# KiCad board hypjolin.kicad_pcb (continued)
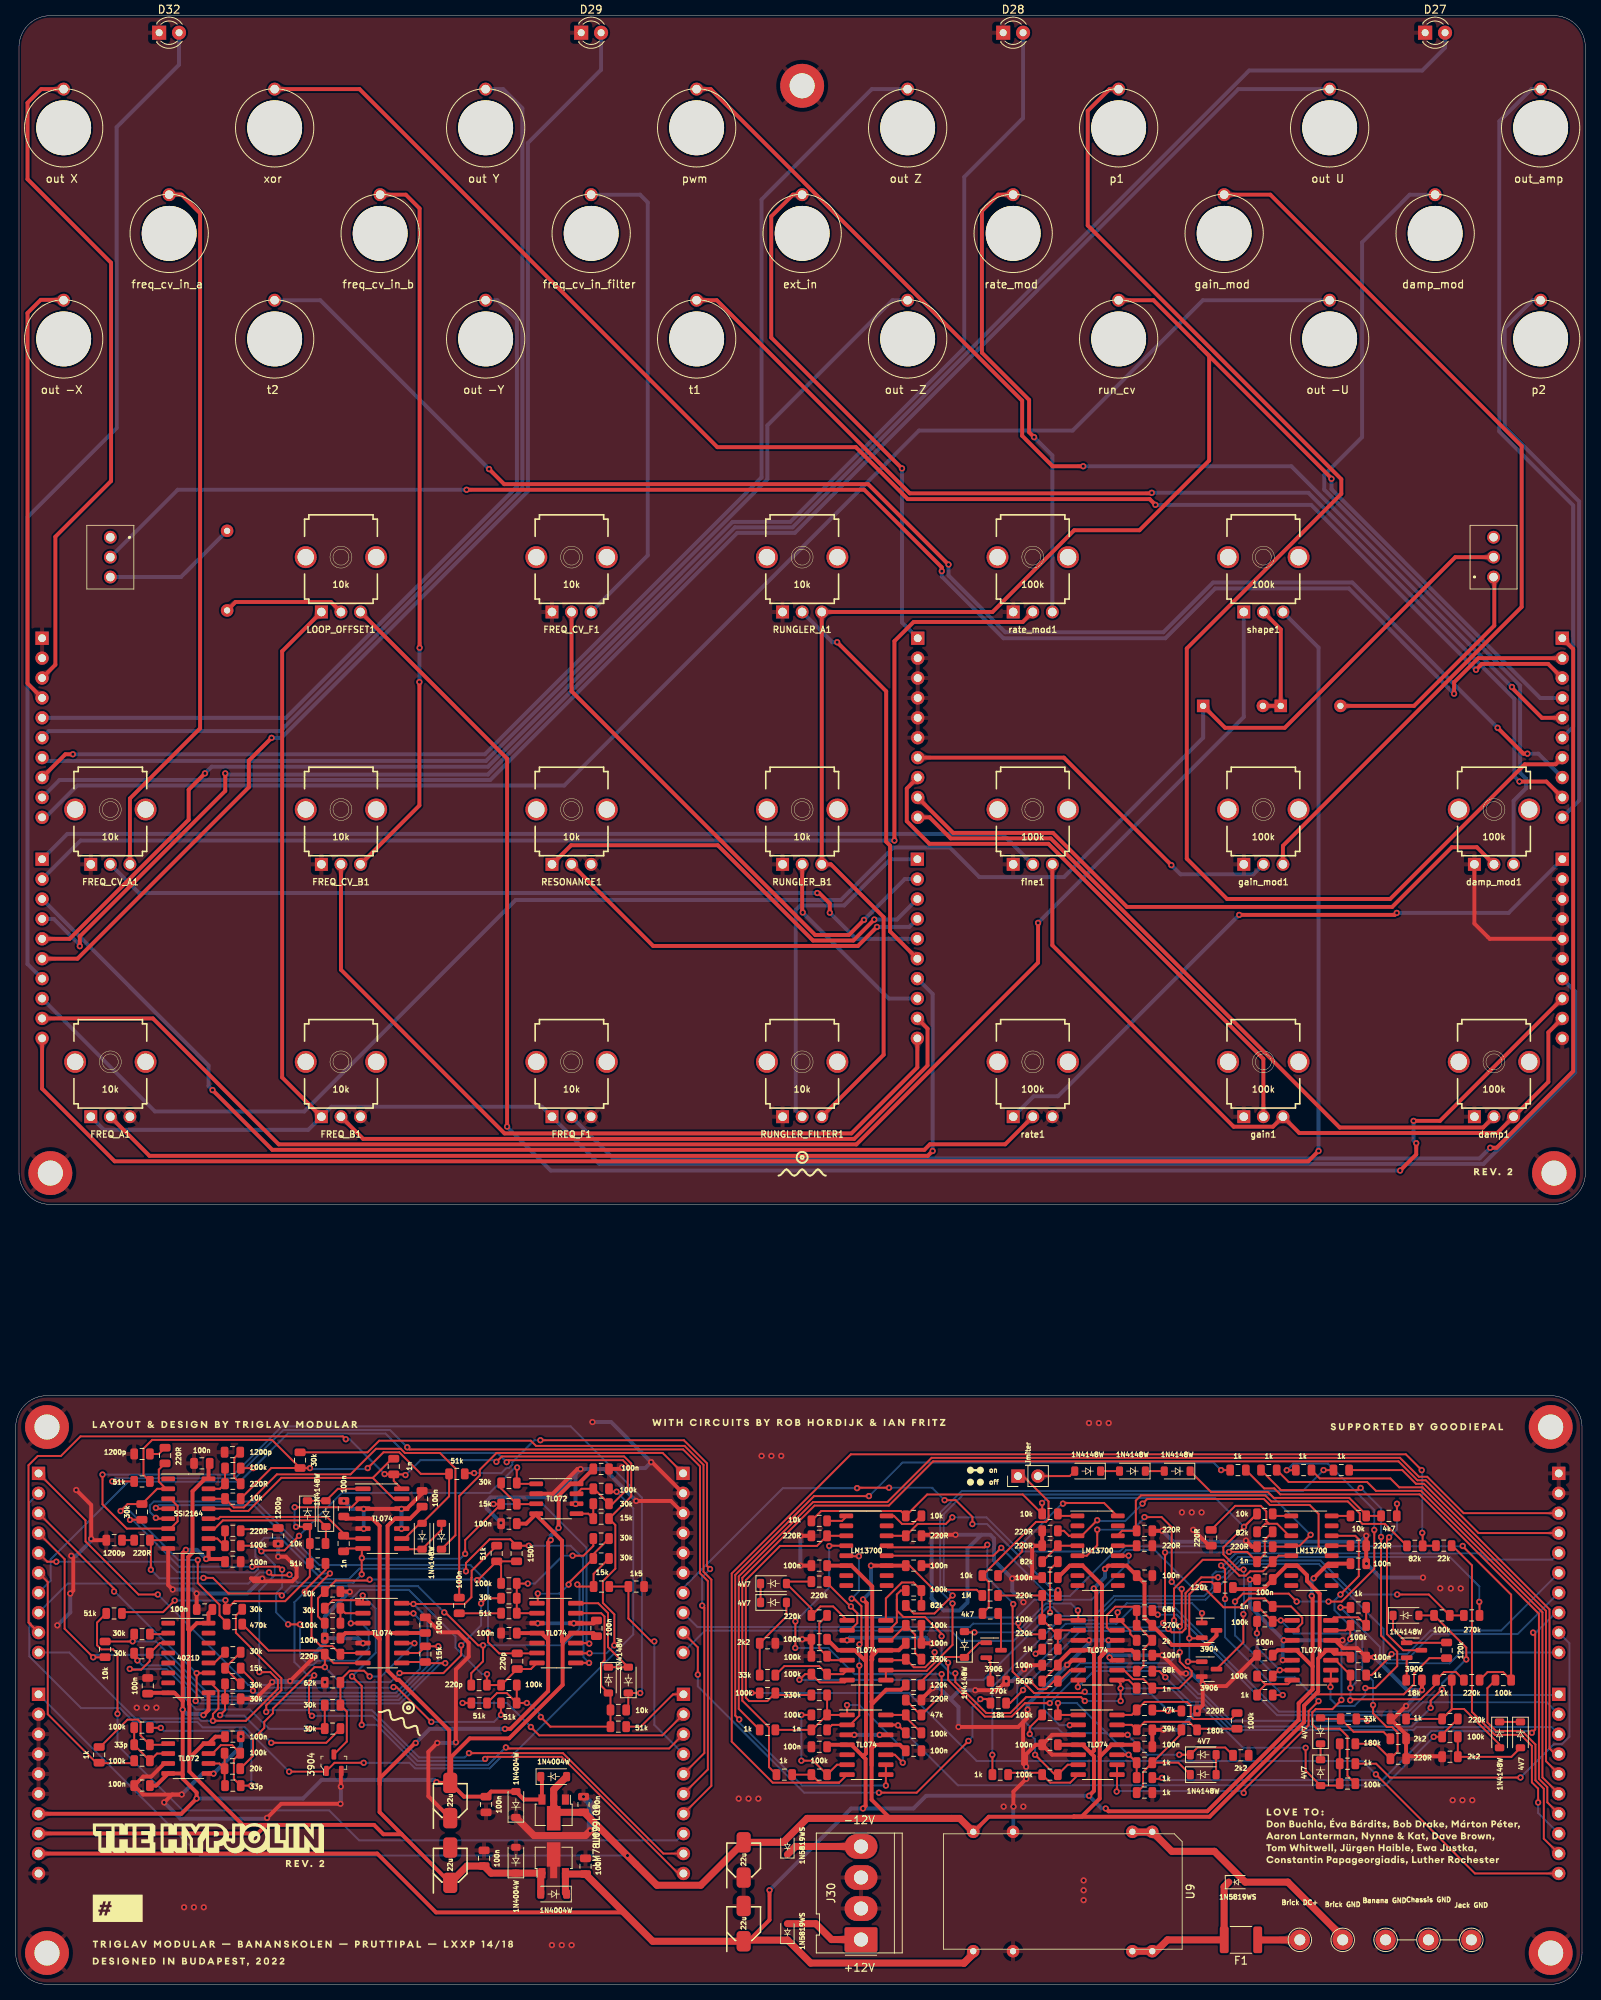
[diagram p0: board, top side]
## Library data of the parts
C15 C16 C33 C34 = -: Description: Aluminum Electrolytic Capacitors - SMD 10VDC 47uF 20% 90mA AEC-Q200; Arrow Part Number: EEE-FN1A470UR; Arrow Price/Stock: https://www.arrow.com/en/products/eee-fn1a470ur/panasonic; Height: 6.1; Manufacturer_Name: Panasonic; Manufacturer_Part_Number: EEEFN1C220R; Mouser Part Number: 667-EEE-FN1A470UR; Mouser Price/Stock: https://www.mouser.co.uk/ProductDetail/Panasonic/EEE-FN1A470UR?qs=OlC7AqGiEDlZjloUmme03Q%3D%3D
Q1 = -: Description: TRANS NPN 40V 0.2A SOT23; Category: Discrete Semiconductor Products; DK_Datasheet_Link: http://www.onsemi.com/pub/Collateral/MMBT3904LT1-D.PDF; DK_Detail_Page: /product-detail/en/on-semiconductor/MMBT3904LT1G/MMBT3904LT1GOSCT-ND/1139813; Digi-Key_PN: MMBT3904LT1GOSCT-ND; Family: Transistors - Bipolar (BJT) - Single; MPN: MMBT3904LT1G; Manufacturer: ON Semiconductor; Status: Active
R18 = -: Comment: (was 62k)

## Footprints (pads in the part's own frame, mm; a bottom-side part is the same pattern mirrored in y, then rotated)
1082MS1T1B1M2QEEVX
  round 1.635 hole 1.09: 1(0,0) 2(0,2.54) 3(0,5.08)
Banana_Jack_1Pin
  round 7 hole 7 unplated: (0,0)
  round 1.648 hole 1.1: 1(-0.007,4.939)
C_0805_2012Metric
  rrect 0.975x1.4 smd: 1(-1,0) 2(1,0)
CAPAE430X610N
  rrect 2.6x1.8 smd: 1(-2.25,0) 2(2.25,0)
D_DO-35_SOD27_P7.62mm_Horizontal
  rect 1.6x1.6 hole 0.8: 1(0,0)
  oval 1.6x1.6 hole 0.8: 2(7.62,0)
D_SOD-123
  rrect 0.9x1.2 smd: 1(-1.65,0) 2(1.65,0)
D_SOD-323
  rect 0.6x0.45 smd: 1(-1.05,0) 2(1.05,0)
DIP-24_W15.24mm
  oval 1.6x1.6 hole 0.8: 2(0,-2.54) 3(0,-5.08) 9(0,-20.32) 11(0,-25.4) 14(15.24,-25.4) 16(15.24,-20.32) 22(15.24,-5.08) 23(15.24,-2.54)
Fuse_1812_4532Metric
  rrect 1.125x3.4 smd: 1(-2.138,0) 2(2.138,0)
LED_D3.0mm_Clear
  rect 1.8x1.8 hole 0.9: 1(0,0)
  round 1.8 hole 0.9: 2(2.54,0)
Molex_KK-396_5273-04A_1x04_P3.96mm_Vertical_copy
  rrect 3.16x4.2 hole 1.8: 1(0,0)
  oval 3.16x4.2 hole 1.8: 2(3.96,0) 3(7.92,0) 4(11.88,0)
MountingHole_3.2mm_M3_DIN965_Pad
  round 5.6 hole 3.2: 1(0,0)
MusicThingModular-9MM_SNAP-IN_POT
  rect 1.648x1.648 hole 1.1: 1(-2.499,-6.998)
  round 1.648 hole 1.1: 2(0,-6.998) 3(2.499,-6.998)
  round 2.794 hole 2.098: CHASSIS1(-4.498,0) CHASSIS2(4.498,0)
Pin_D1.4mm_L8.5mm_W2.8mm_FlatFork
  round 2.6 hole 1.4: 1(0,0)
PinHeader_1x02_P2.54mm_Vertical
  rect 1.7x1.7 hole 1: 1(0,0)
  oval 1.7x1.7 hole 1: 2(0,-2.54)
PinHeader_1x10_P2.54mm_Vertical
  rect 1.7x1.7 hole 1: 1(0,0)
  oval 1.7x1.7 hole 1: 2(0,-2.54) 3(0,-5.08) 4(0,-7.62) 5(0,-10.16) 6(0,-12.7) 7(0,-15.24) 8(0,-17.78) 9(0,-20.32) 10(0,-22.86)
PinSocket_1x10_P2.54mm_Vertical
  rect 1.7x1.7 hole 1: 1(0,0)
  oval 1.7x1.7 hole 1: 2(0,-2.54) 3(0,-5.08) 4(0,-7.62) 5(0,-10.16) 6(0,-12.7) 7(0,-15.24) 8(0,-17.78) 9(0,-20.32) 10(0,-22.86)
R_0805_2012Metric
  rrect 0.975x1.4 smd: 1(-1,0) 2(1,0)
R_Axial_DIN0207_L6.3mm_D2.5mm_P10.16mm_Horizontal
  round 1.6 hole 0.8: 1(0,0)
  oval 1.6x1.6 hole 0.8: 2(10.16,0)
SO-8_3.9x4.9mm_P1.27mm
  rrect 1.75x0.6 smd: 1(-2.575,1.905) 2(-2.575,0.635) 3(-2.575,-0.635) 4(-2.575,-1.905) 5(2.575,-1.905) 6(2.575,-0.635) 7(2.575,0.635) 8(2.575,1.905)
SO-14_3.9x8.65mm_P1.27mm
  rrect 1.95x0.6 smd: 1(-2.475,3.81) 2(-2.475,2.54) 3(-2.475,1.27) 4(-2.475,0) 5(-2.475,-1.27) 6(-2.475,-2.54) 7(-2.475,-3.81) 8(2.475,-3.81) 9(2.475,-2.54) 10(2.475,-1.27) 11(2.475,0) 12(2.475,1.27) 13(2.475,2.54) 14(2.475,3.81)
SO-16_3.9x9.9mm_P1.27mm
  rrect 1.75x0.6 smd: 1(-2.575,4.445) 2(-2.575,3.175) 3(-2.575,1.905) 4(-2.575,0.635) 5(-2.575,-0.635) 6(-2.575,-1.905) 7(-2.575,-3.175) 8(-2.575,-4.445) 9(2.575,-4.445) 10(2.575,-3.175) 11(2.575,-1.905) 12(2.575,-0.635) 13(2.575,0.635) 14(2.575,1.905) 15(2.575,3.175) 16(2.575,4.445)
SOT-23
  rrect 1.475x0.6 smd: 1(-0.938,0.95) 2(-0.938,-0.95) 3(0.938,0)
SOT-23-3
  rrect 1.3x0.6 smd: 1(-1.05,0.95) 2(-1.05,-0.95) 3(1.05,0)
SOT-89-3
  rect 1.3x0.9 smd: 1(-1.65,1.5) 3(-1.65,-1.5)
  custom 4.6x1.733 smd: 2(-1.562,0)

## Nets
GND: C1.2 C2.2 C6.1 C9.1 C11.2 C12.1 C13.2 C14.1 C15.2 C16.1 C17.2 C18.1 C19.2 C20.1 C21.2 C22.1 C23.2 C24.1 C25.2 C26.1 C27.2 C28.1 C30.2 C31.1 C33.2 C34.1 C39.2 C40.1 C41.2 C42.1 C43.2 C44.1 C45.2 C46.1 C47.2 C48.1 C49.2 C50.1 C51.2 C52.1 C53.2 C54.1 D9.2 D10.1 IC2.3 IC2.5 IC2.10 IC2.12 IC3.8 IC4.2 IC4.6 IC5.5 IC5.12 IC6.3 IC6.5 IC6.12 IC7.2 IC8.1 IC9.3 IC9.5 J13.1 J13.2 J26.1 J27.1 J30.2 J30.3 J32.2 J32.3 J32.4 J32.5 J32.6 J32.10 J38.2 J38.3 J38.4 J38.5 J38.6 J42.1 Q1.2 Q5.2 R21.1 R28.1 R38.1 R40.1 R52.1 R53.1 R77.2 R78.2 R82.2 R84.1 R87.1 R88.2 R89.1 R91.2 R94.2 R99.2 R101.2 R102.1 R105.1 R106.2 R108.2 R110.1 R111.2 R121.1 R123.1 R126.1 R135.1 REF**.1 REF**#2.1 REF**#6.1 REF**#7.1 U3.3 U3.5 U3.10 U3.12 U4.3 U6.3 U6.5 U7.3 U7.5 U7.12 U8.3 U8.5 U8.12 U9.9 U9.16
VCC: C11.1 C33.1 C39.1 C41.1 C43.1 C45.1 C47.1 C49.1 C51.1 C53.1 D8.1 D12.1 IC7.3 J32.9 Q3.3 R61.1 R69.1 R70.1 U1.11 U2.11 U3.4 U4.4 U5.11 U6.4 U7.4 U8.4 U9.14
VEE: C12.2 C34.2 C40.2 C42.2 C44.2 C46.2 C48.2 C50.2 C52.2 C54.2 D7.2 D13.2 IC8.2 J32.1 R71.2 R74.2 R79.2 U1.6 U2.6 U3.11 U4.11 U5.6 U6.11 U7.11 U8.11 U9.11
/-X': R51.1 R148.2 R149.1 R150.1 U8.7
/cv_f_pot: J41.2 R41.1
/damp_mod_pot: J38.9 R56.2
/damp_pot: J38.10 R59.2
/ext_in: C5.1 J38.1
/F_CV: D6.1 IC3.3 IC3.6 R46.2
/fine_pot: J36.1 R57.2
/freq_a_pot: J41.7 R3.1
/freq_b_pot: J41.9 R5.1
/freq_cv_a_pot: J41.5 R1.1
/freq_cv_b_pot: J41.10 R2.1
/freq_f_pot: J34.1 R43.1
/gain_mod_pot: J38.7 R54.2
/gain_pot: J38.8 R55.2
/LEDU: J36.4 R117.1
/LEDX: J36.7 R147.1
/LEDY: J36.6 R142.1
/LEDZ: J36.5 R133.1
/offset_switch: J34.2 Q1.1 R17.2
/OUT: C10.2 IC5.7 R32.2 R50.2 R66.1
/out -U: J13.10 R120.1
/out -X: J13.4 R150.2
/out -Y: J13.5 R144.1
/out -Z: J13.7 R136.1
/out U: J13.9 R109.1
/out X: J13.3 R145.2
/out Y: J13.6 R137.2
/out Z: J13.8 R129.2
/OUT_AMP: J34.6 R62.2 R64.2
/P1: IC4.7 J34.7 R11.2 R15.2 R17.1
/P2: IC1.10 IC4.1 J34.10 R12.2 R16.2
/P / cv_f_pot: FREQ_CV_F1.2 J40.2
/P / damp_mod: damp_mod1.3 J25.1
/P / damp_mod_pot: damp_mod1.2 J39.9
/P / damp_pot: damp1.2 J39.10
/P / ext_in: J3.1 J39.1
/P / fine_pot: fine1.2 J37.1
/P / freq_a_pot: FREQ_A1.2 J40.7
/P / freq_b_pot: FREQ_B1.2 J40.9
/P / freq_cv_a_pot: FREQ_CV_A1.2 J40.5
/P / freq_cv_b_pot: FREQ_CV_B1.2 J40.10
/P / freq_f_pot: FREQ_F1.2 J35.1
/P / gain_mod: gain_mod1.3 J23.1
/P / gain_mod_pot: gain_mod1.2 J39.7
/P / gain_pot: gain1.2 J39.8
/P / LEDU: D27.2 J37.4
/P / LEDX: D32.2 J37.7
/P / LEDY: D29.2 J37.6
/P / LEDZ: D28.2 J37.5
/P / offset_switch: J35.2 SW1.2
/P / out -U: J15.1 J31.10
/P / out -X: J21.1 J31.4
/P / out -Y: J20.1 J31.5
/P / out -Z: J18.1 J31.7
/P / out U: J16.1 J31.9
/P / out X: J22.1 J31.3
/P / out Y: J19.1 J31.6
/P / out Z: J17.1 J31.8
/P / OUT_AMP: J8.1 J35.6
/P / P1: J7.1 J35.7
/P / P2: J4.1 J35.10
/P / PWM: J9.1 J35.5
/P / rate_mod: J24.1 rate_mod1.3
/P / rate_mod_pot: J37.2 rate_mod1.2
/P / rate_pot: J37.3 rate1.2
/P / reso_pot_A: J40.4 RESONANCE1.2
/P / reso_pot_B: J40.3 RESONANCE1.1
/P / run_a_pot: J40.6 RUNGLER_A1.2
/P / run_b_pot: J40.8 RUNGLER_B1.2
/P / RUN_CV: J10.1 J35.4 RUNGLER_A1.3 RUNGLER_B1.3 RUNGLER_FILTER1.3
/P / run_f_pot: J40.1 RUNGLER_FILTER1.2
/P / shape_IN1: J37.10 shape1.3
/P / shape_IN2: J37.9 shape1.1
/P / shape_OUT: D30.1 J37.8 SW2.2
/P / T1: J5.1 J35.9
/P / T2: J6.1 J35.8
/P / XOR: J11.1 J35.3
/PWM: IC6.8 J34.5 R36.1
/rate_mod_pot: J36.2 R58.2
/rate_pot: J36.3 R60.2
/reso_pot_A: J41.4 R39.1 R40.2
/reso_pot_B: IC5.1 J41.3 R48.2
/run_a_pot: J41.6 R4.1
/run_b_pot: J41.8 R6.1
/RUN_CV: IC5.14 J34.4 R29.1 R35.1
/run_f_pot: J41.1 R42.1
/shape_IN1: J36.10 R127.1
/shape_IN2: J36.9 R128.1
/shape_OUT: J36.8 R148.1
/T1: C3.2 IC2.14 IC6.9 J34.9 R13.1
/T2: C4.2 IC2.7 IC6.10 J34.8 R14.1
/V+: C13.1 C15.1 C17.1 C19.1 C21.1 C23.1 C25.1 C27.1 C30.1 D8.2 D9.1 IC1.16 IC2.4 IC3.16 IC4.8 IC5.4 IC6.4 IC7.1 IC9.8 J32.8
/V-: C14.2 C16.2 C18.2 C20.2 C22.2 C24.2 C26.2 C28.2 C31.2 D7.1 D10.2 IC1.8 IC1.9 IC2.11 IC3.9 IC4.4 IC5.11 IC6.11 IC8.3 IC9.4 J32.7
/XOR: IC1.11 IC5.8 J34.3 R22.1
P / GND: D27.1 D28.1 D29.1 D32.1 damp1.1 damp_mod1.1 fine1.1 FREQ_A1.3 FREQ_B1.3 FREQ_CV_A1.1 FREQ_CV_B1.1 FREQ_CV_F1.1 FREQ_F1.3 gain1.1 gain_mod1.1 J31.1 J31.2 J33.2 J33.3 J33.4 J33.5 J33.6 J33.10 J39.2 J39.3 J39.4 J39.5 J39.6 rate1.3 rate_mod1.1 REF**#3.1 REF**#4.1 REF**#5.1 RESONANCE1.3 RUNGLER_A1.1 RUNGLER_B1.1 RUNGLER_FILTER1.1
P / V+: J33.8 LOOP_OFFSET1.3
P / V-: FREQ_A1.1 FREQ_B1.1 FREQ_F1.1 J33.7 LOOP_OFFSET1.1
P / VCC: damp1.3 fine1.3 gain1.3 J33.9
P / VEE: J33.1 rate1.1
Net-(C1-Pad1): C1.1 R9.1
Net-(C2-Pad1): C2.1 R10.1
Net-(C3-Pad1): C3.1 IC2.13 IC3.13
Net-(C4-Pad1): C4.1 IC2.6 IC3.12
Net-(C5-Pad2): C5.2 R30.1
Net-(C6-Pad2): C6.2 R37.1
Net-(C7-Pad1): C7.1 IC3.7 R34.2 R37.2 R39.2
Net-(C7-Pad2): C7.2 C8.2 IC5.3 IC6.7 R45.2 R47.1
Net-(C8-Pad1): C8.1 IC3.5 IC6.6
Net-(C9-Pad2): C9.2 R49.1
Net-(C10-Pad1): C10.1 IC3.4 IC5.6
Net-(C29-Pad1): C29.1 IC9.1 R62.1
Net-(C29-Pad2): C29.2 IC9.2 R63.2 R64.1
Net-(C32-Pad1): C32.1 IC9.6 R65.1 R66.2
Net-(C32-Pad2): C32.2 IC9.7 R63.1 R65.2
Net-(C35-Pad1): C35.1 D21.2 R92.2 R104.2 R107.2 R109.2 U3.8 U4.10
Net-(C35-Pad2): C35.2 U1.5 U3.9
Net-(C36-Pad1): C36.1 R90.1 R112.2 R129.1 R130.2 U6.1 U6.10
Net-(C36-Pad2): C36.2 U2.5 U6.2
Net-(C37-Pad1): C37.1 R98.1 R124.1 R137.1 R138.2 U7.1 U7.10
Net-(C37-Pad2): C37.2 U5.12 U7.2
Net-(C38-Pad1): C38.1 R143.1 R145.1 R146.2 U8.1 U8.10
Net-(C38-Pad2): C38.2 U5.5 U8.2
Net-(D1-Pad1): D1.1 D3.2 IC2.8
Net-(D1-Pad2): D1.2 IC2.9 R1.2 R3.2 R4.2 R7.1
Net-(D2-Pad1): D2.1 D4.2 IC2.1
Net-(D2-Pad2): D2.2 IC2.2 R2.2 R5.2 R6.2 R8.1
Net-(D3-Pad1): D3.1 IC3.14 R7.2
Net-(D4-Pad1): D4.1 IC3.11 R8.2
Net-(D5-Pad1): D5.1 D6.2 IC6.14
Net-(D5-Pad2): D5.2 IC6.13 R41.2 R42.2 R43.2 R45.1 R46.1
Net-(D12-Pad2): D12.2 J30.1
Net-(D13-Pad1): D13.1 J30.4
Net-(D14-Pad1): D14.1 Q2.1 R71.1
Net-(D14-Pad2): D14.2 R68.1 U3.1
Net-(D15-Pad1): D15.1 D17.1
Net-(D15-Pad2): D15.2 R67.1 R83.1 U4.1
Net-(D16-Pad1): D16.1 Q4.1 R74.1
Net-(D16-Pad2): D16.2 R72.1 U3.7
Net-(D17-Pad2): D17.2 R78.1 R80.1
Net-(D18-Pad1): D18.1 D19.2
Net-(D18-Pad2): D18.2 J14.2
Net-(D19-Pad1): D19.1 D20.2
Net-(D20-Pad1): D20.1 R81.1 R97.2
Net-(D21-Pad1): D21.1 D22.1
Net-(D22-Pad2): D22.2 R88.1 R93.2
Net-(D23-Pad1): D23.1 R90.2 R91.1 R96.1
Net-(D23-Pad2): D23.2 D24.2
Net-(D24-Pad1): D24.1 R101.1 U6.12
Net-(D25-Pad1): D25.1 D26.1
Net-(D25-Pad2): D25.2 R98.2 R99.1 R115.1
Net-(D26-Pad2): D26.2 R110.2 R114.1
Net-(D30-Pad2): D30.2 D31.1 shape1.2
Net-(D31-Pad2): D31.2 SW2.1
Net-(D33-Pad1): D33.1 F1.2 U9.22 U9.23
Net-(D33-Pad2): D33.2 J29.1 U9.2 U9.3
Net-(F1-Pad1): F1.1 J28.1
Net-(FREQ_CV_A1-Pad3): FREQ_CV_A1.3 J1.1
Net-(FREQ_CV_B1-Pad3): FREQ_CV_B1.3 J2.1
Net-(FREQ_CV_F1-Pad3): FREQ_CV_F1.3 J12.1
Net-(IC1-Pad2): IC1.2 R23.2
Net-(IC1-Pad3): IC1.3 R19.2 R20.2 R25.2
Net-(IC1-Pad12): IC1.12 R24.2
Net-(IC3-Pad2): IC3.2 R47.2 R49.2 R50.1
Net-(IC3-Pad10): IC3.10 R10.2 R12.1
Net-(IC3-Pad15): IC3.15 R9.2 R11.1
Net-(IC4-Pad3): IC4.3 R14.2 R16.1
Net-(IC4-Pad5): IC4.5 R13.2 R15.1
Net-(IC5-Pad2): IC5.2 R44.2 R48.1
Net-(IC5-Pad9): IC5.9 R19.1 R22.2
Net-(IC5-Pad10): IC5.10 Q1.3 R20.1 R21.2
Net-(IC5-Pad13): IC5.13 R23.1 R26.2 R29.2
Net-(IC6-Pad1): IC6.1 R33.2 R34.1
Net-(IC6-Pad2): IC6.2 R30.2 R31.2 R32.1 R33.1
Net-(J14-Pad1): J14.1 R75.2 R76.1
Net-(LOOP_OFFSET1-Pad2): LOOP_OFFSET1.2 R18.1
Net-(Q2-Pad2): Q2.2 R77.1
Net-(Q2-Pad3): Q2.3 R76.2
Net-(Q3-Pad1): Q3.1 R73.1 U3.14
Net-(Q3-Pad2): Q3.2 Q5.1 R79.1
Net-(Q4-Pad2): Q4.2 R82.1
Net-(Q4-Pad3): Q4.3 R81.2
Net-(Q5-Pad3): Q5.3 R95.1 R118.1 R131.1 R139.1
Net-(R18-Pad2): R18.2 SW1.3
Net-(R24-Pad1): R24.1 R26.1 R27.2
Net-(R25-Pad1): R25.1 R27.1 R28.2
Net-(R31-Pad1): R31.1 R35.2 R36.2 R38.2 R44.1
Net-(R51-Pad2): R51.2 R52.2 U1.14
Net-(R53-Pad2): R53.2 U1.13
Net-(R54-Pad1): R54.1 R55.1 R57.1 R61.2 R68.2 U3.2
Net-(R56-Pad1): R56.1 R59.1 R69.2 R72.2 U3.6
Net-(R58-Pad1): R58.1 R60.1 R70.2 R73.2 U3.13
Net-(R67-Pad2): R67.2 U1.12 U4.2
Net-(R75-Pad1): R75.1 U1.16
Net-(R80-Pad2): R80.2 R85.1 U4.6
Net-(R83-Pad2): R83.2 R84.2 U4.5
Net-(R85-Pad2): R85.2 R86.1 U4.7
Net-(R86-Pad2): R86.2 R87.2 U1.4
Net-(R89-Pad2): R89.2 U1.3 U2.12
Net-(R92-Pad1): R92.1 R94.1 U4.12
Net-(R95-Pad2): R95.2 U1.1
Net-(R97-Pad1): R97.1 U2.16
Net-(R100-Pad1): R100.1 R103.2 U4.14
Net-(R100-Pad2): R93.1 R100.2 U4.13
Net-(R102-Pad2): R102.2 U2.13
Net-(R103-Pad1): R103.1 R108.1 U2.4
Net-(R104-Pad1): R104.1 R105.2 U2.14
Net-(R106-Pad1): R96.2 R106.1 R113.1 U6.13
Net-(R107-Pad1): R107.1 R116.2 U7.13
Net-(R111-Pad1): R111.1 R112.1 U2.3
Net-(R113-Pad2): R113.2 R119.1 U6.14
Net-(R114-Pad2): R114.2 R115.2 R122.1 U8.13
Net-(R116-Pad1): R116.1 R120.2 U7.14
Net-(R117-Pad2): R117.2 U4.8 U4.9
Net-(R118-Pad2): R118.2 U2.1
Net-(R119-Pad2): R119.2 R121.2 U5.13
Net-(R122-Pad2): R122.2 R125.1 U8.14
Net-(R123-Pad2): R123.2 R124.2 R128.2 U5.14
Net-(R125-Pad2): R125.2 R126.2 U5.4
Net-(R127-Pad2): R127.2 R135.2 R143.2 U5.3
Net-(R130-Pad1): R130.1 R134.2 U6.6
Net-(R131-Pad2): R131.2 U5.16
Net-(R133-Pad2): R133.2 U6.8 U6.9
Net-(R134-Pad1): R134.1 R136.2 U6.7
Net-(R138-Pad1): R138.1 R141.2 U7.6
Net-(R139-Pad2): R139.2 U5.1
Net-(R141-Pad1): R141.1 R144.2 U7.7
Net-(R142-Pad2): R142.2 U7.8 U7.9
Net-(R146-Pad1): R146.1 R149.2 U8.6
Net-(R147-Pad2): R147.2 U8.8 U8.9

Pads without a net: damp1 CHASSIS1 CHASSIS2; damp_mod1 CHASSIS1 CHASSIS2; fine1 CHASSIS1 CHASSIS2; FREQ_A1 CHASSIS1 CHASSIS2; FREQ_B1 CHASSIS1 CHASSIS2; FREQ_CV_A1 CHASSIS1 CHASSIS2; FREQ_CV_B1 CHASSIS1 CHASSIS2; FREQ_CV_F1 CHASSIS1 CHASSIS2; FREQ_F1 CHASSIS1 CHASSIS2; gain1 CHASSIS1 CHASSIS2; gain_mod1 CHASSIS1 CHASSIS2; IC1 1 4 5 6 7 13 14 15; IC3 1; LOOP_OFFSET1 CHASSIS1 CHASSIS2; rate1 CHASSIS1 CHASSIS2; rate_mod1 CHASSIS1 CHASSIS2; RESONANCE1 CHASSIS1 CHASSIS2; RUNGLER_A1 CHASSIS1 CHASSIS2; RUNGLER_B1 CHASSIS1 CHASSIS2; RUNGLER_FILTER1 CHASSIS1 CHASSIS2; shape1 CHASSIS1 CHASSIS2; SW1 1; SW2 3; U1 2 7 8 9 10 15; U2 2 7 8 9 10 15; U5 2 7 8 9 10 15

## Via types
v1: diameter 0.8, hole 0.4, Top to Bottom, 427 vias

## Routing (per net, layer and track width the routed paths; a pad name or vN(x,y) marks a point on that pad's centre or on a via; arc(x,y) is an arc through that point)
GND: length 589.9
  Top w0.5: C49.2 130.23,30.57 129.02,29.36 v1(129.02,27.77) 128.63,28.16 128.63,33.47 129.12,33.95 ; C49.2 132.34,31.84 U6.3 ; C49.2 132.34,29.3 U6.5 ; 140.02,41.36 v1(139.67,41.71) ; v1(100.45,44.03) C47.2 R84.1 ; R89.1 R87.1 v1(129.78,55.97) 129.78,52.03 129.91,51.91 ; R108.2 157.87,55.84 v1(157.09,56.63) ; v1(151.57,38.26) 151.45,38.38 Q5.2 ; v1(151.57,38.26) 151.77,38.06 154.56,38.06 C53.2 ; v1(151.57,38.26) 151.57,35.61 R121.1 ; v1(31.49,51.78) 31.46,51.81 30.05,51.81 30.42,51.44 35.33,51.44 35.87,51.97 35.87,53.21 34.5,54.57 v1(33.52,54.57) ; U7.12 v1(169.41,43.9) ; v1(149.43,39.67) 148.75,39.67 v1(146.42,42) C48.1 ; v1(81.14,66.64) 81.25,66.64 J38.2 ; R102.1 C41.2 ; J38.3 83.66,61.68 v1(79.24,61.68) ; v1(146.55,32.47) R106.2 C54.1 ; v1(177.54,35.52) 177.51,35.52 175.85,33.87 R99.2 177.54,31.87 R88.2 R105.1 177.85,29.11 182.08,29.11 ; 129.12,33.95 128.01,32.84 v1(120.39,32.84) ; 129.12,33.95 129.12,34.96 v1(129.21,35.06) ; v1(179.57,37.55) 179.57,38.81 ; 152.37,55.99 v1(150.36,58) ; 115.78,57.37 v1(116.96,57.37) v1(120.01,57.37) ; v1(42.66,50.09) 42.62,50.13 R38.1 ; 129.91,51.91 C40.1 ; 129.91,51.91 127.37,51.91 v1(127.24,51.78) ; v1(6.97,49.87) 7.36,50.25 7.36,54.43 v1(7.1,54.69) ; v1(25.26,26.89) 24.65,26.89 ; v1(146.42,57.87) R52.1 ; v1(7.74,63.08) 9.64,61.18 v1(9.64,56.86) 9.82,56.68 C6.1 ; v1(37.84,41.87) 37.84,41.49 v1(35.04,38.7) ; v1(23.1,49.87) 23.1,47.86 ; U3.12 v1(139.55,43.9) ; v1(32.1,21.23) 33.9,23.04 v1(41.47,23.04) ; v1(71.26,46.06) 73.79,46.06 C26.1 ; C28.1 54.23,44.92 56.5,44.92 57.85,43.57 57.85,41.82 56.21,40.18 v1(56.21,30.89) ; v1(128.77,40.22) 129.28,40.73 C43.2 ; v1(32.76,38.57) 30.62,36.43 R28.1 ; v1(72.13,65.75) 71.72,65.75 68.57,62.6 IC4.2 ; IC3.8 19.48,50.96 v1(20.06,50.38) ; 127.4,22.68 127.4,24.59 v1(129.05,26.24) ; C18.1 51.9,62.65 49.94,60.7 ; v1(53.84,30.81) 52.69,29.67 52.69,24 C16.1 ; 135.68,41.36 134.87,41.36 v1(134.27,40.76) ; v1(41.52,25.24) 41.52,27.17 Q1.2 ; R135.1 v1(100.19,57.24) ; U7.3 v1(161.92,43.9) ; 18.97,28.18 17.3,26.51 16.28,26.51 C31.1 16.28,24.21 21.19,24.21 v1(21.2,24.22) 19.97,24.22 v1(18.96,23.21) ; v1(161.79,41.36) 162.98,41.36 ; 115.65,36.38 v1(117.08,37.81) ; R94.2 C44.1 v1(116.96,43.52) ; v1(122.53,37.53) 122.53,37.53 125.32,37.53 R77.2 ; C19.2 77.23,65.78 v1(77.43,65.97) ; 168.48,43.9 169.49,42.9 171.29,42.9 C50.1 v1(173.47,41.75) ; v1(44.44,60.67) v1(49.26,60.67) ; v1(100.19,53.43) C52.1 ; C45.2 v1(116.96,53.43) ; 172.46,55.99 v1(172.46,57.24) ; U3.3 v1(137.04,43.9) ; C46.1 v1(157.6,51.65)
  Top w0.9: D10.1 66.19,18.98 72.75,18.98 v1(73.37,19.6)
  Bottom w0.5: 119.37,36.4 120.39,35.38 v1(120.39,32.84) ; 119.37,36.4 120.51,37.53 v1(122.53,37.53) ; 119.37,36.4 117.96,37.81 v1(117.08,37.81) ; 152.39,56.48 147.82,56.48 v1(146.42,57.87) ; 152.39,56.48 151.88,56.48 v1(150.36,58) ; 152.39,56.48 156.94,56.48 v1(157.09,56.63) 157.24,56.48 171.69,56.48 v1(172.46,57.24) ; v1(56.21,30.89) 56.14,30.81 v1(53.84,30.81) ; v1(126.48,38.68) 127.23,38.68 v1(128.77,40.22) ; v1(150.87,34.89) 148.45,32.47 v1(146.55,32.47) ; v1(128.68,48.76) 127.24,50.2 v1(127.24,51.78) 124.93,54.1 124.93,56.89 124.45,57.37 123.31,57.37 ; v1(172.48,53.69) 174.26,51.91 v1(179.69,51.91) ; v1(110.32,31.83) 110.32,31.84 107.08,31.84 v1(107.08,31.83) ; v1(129.02,27.77) 129.02,26.26 v1(129.05,26.24) ; v1(31.49,51.78) 29.58,49.87 v1(23.1,49.87) 22.6,50.38 v1(20.06,50.38) ; v1(39.49,44.16) 39.49,46.95 42.62,50.09 v1(42.66,50.09) ; v1(39.49,44.16) 39.49,43.52 v1(37.84,41.87) ; v1(39.49,44.16) 43.72,44.16 v1(44.35,43.52) ; v1(9.64,56.86) 9.64,56.6 7.72,54.69 v1(7.1,54.69) ; v1(35.04,38.7) 32.88,38.7 v1(32.76,38.57) v1(39.49,38.57) ; 123.31,57.37 v1(120.01,57.37) ; 123.31,57.37 121.53,55.59 121.53,48.73 120.51,47.71 118.48,47.71 116.96,49.24 v1(116.96,53.43) v1(116.96,57.37) ; v1(72.13,65.75) 68.52,62.14 60.65,62.14 60.15,61.64 60.15,60.7 v1(61.97,58.89) ; v1(72.13,65.75) 71.49,65.11 v1(71.49,61.3) ; v1(72.13,65.75) 75.17,65.75 v1(79.24,61.68) ; v1(149.43,39.67) 150.16,39.67 v1(151.57,38.26) ; v1(169.41,43.9) v1(161.92,43.9) ; v1(161.92,43.9) 157.6,48.22 v1(157.6,51.65) ; v1(161.92,43.9) 161.79,43.78 v1(161.79,41.36) ; v1(18.96,23.21) 21.05,21.13 31.99,21.13 v1(32.1,21.23) ; v1(100.19,57.24) v1(100.19,53.43) ; v1(173.47,41.75) 177.66,37.55 v1(179.57,37.55) v1(177.54,35.52) ; v1(6.97,49.87) 6.97,47.46 v1(5.32,45.81) ; v1(21.2,24.22) 23.87,26.89 v1(25.26,26.89) 28.77,30.39 v1(28.77,31.62) ; v1(66.66,46.06) v1(71.26,46.06) ; v1(33.52,56.22) v1(33.52,54.57) ; v1(44.44,58.13) v1(44.44,60.67) 42.92,60.67 v1(41.9,61.68) ; v1(49.27,58.13) 49.26,58.13 v1(49.26,60.67) ; v1(146.42,42) 139.96,42 v1(139.67,41.71) 139.55,41.84 v1(139.55,43.9) v1(137.04,43.9) 137.04,43.53 v1(134.27,40.76) 129.21,35.71 v1(129.21,35.06) ; v1(77.43,65.97) 77.52,65.88 80.38,65.88 v1(81.14,66.64) 76.02,71.75 v1(73.65,71.75) ; v1(116.96,43.52) 116.25,44.23 106.49,44.23 v1(106.16,43.9) ; 127.37,19.43 127.37,22.66 127.4,22.68 ; v1(41.52,25.24) 41.52,23.09 v1(41.47,23.04)
  Bottom w0.9: v1(72.51,23.95) 73.37,23.09 v1(73.37,19.6)
  vias: v1(15.46,35.3) v1(16.72,35.3) v1(17.97,35.3) v1(21.5,9.83) v1(22.76,9.83) v1(24.02,9.83) v1(68.47,5) v1(69.73,5) v1(70.98,5) v1(92.32,23.7) v1(93.58,23.7) v1(94.83,23.7) v1(95.24,67.44) v1(96.5,67.44) v1(97.75,67.44) v1(126.15,22.68) v1(127.41,22.68) v1(128.67,22.68) v1(136.36,13.26) v1(136.36,12) v1(136.36,10.74) v1(137.05,71.63) v1(138.31,71.63) v1(139.56,71.63) v1(148.91,60.22) v1(150.17,60.22) v1(151.42,60.22) v1(181.9,50.53) v1(183.25,50.52) v1(183.48,23.49) v1(184.51,50.52) v1(184.74,23.49) v1(185.99,23.49)
VCC: length 391.1
  Top w0.25: C45.1 114.15,53.43 117.23,50.35 122.71,50.35 R61.1 ; 133.07,40.7 R69.1
  Top w0.5: J32.9 46.17,16.69 53.68,9.18 77.66,9.18 ; 137.32,29.47 137.68,29.83 137.68,42.23 137.4,42.51 ; 137.32,29.47 137.68,29.11 137.68,24.68 v1(137.06,24.06) ; 137.32,29.47 136.23,30.57 ; Q3.3 153.33,44.51 152.12,43.3 147.64,43.3 R70.1 144.13,46.81 144.13,51.16 C39.1 141.87,53.43 139.51,53.43 v1(139.09,53.01) ; 108.58,41.36 108.58,42.71 108.67,42.8 108.67,48.64 v1(108.19,49.11) ; 108.58,41.36 108.58,29.47 108.19,29.09 ; 108.58,41.36 108.41,41.36 107.14,42.63 U4.4 105,42.63 C47.1 ; 137.4,42.51 137.28,42.63 U3.4 134.73,42.63 133.07,40.97 ; 137.4,42.51 137.97,43.08 137.97,50.19 v1(137.66,50.51) ; 108.19,29.09 106.72,30.57 ; 108.19,29.09 108.52,28.76 108.52,22.77 v1(108.19,22.44) ; 81.34,5.5 77.66,9.18 ; 77.66,9.18 C11.1 ; v1(109.21,53.43) C45.1 ; 93.53,5.5 96.26,8.22 v1(96.26,12.01) ; C53.1 161.14,42.63 U7.4 ; U6.4 C49.1 ; 165.6,40.57 163.53,42.63 ; 165.6,40.57 165.6,37.64 163.82,35.86 163.82,33.75 152.15,22.08 139.54,22.08 v1(139.18,22.44) ; 165.6,40.57 165.6,49.45 v1(165.48,49.57) ; C41.1 167.61,53.68 v1(165.74,51.81) ; U8.4 103.86,30.57 C51.1
  Top w0.9: 121.07,2.71 101.52,2.71 98.58,5.64 D12.1 93.1,5.64 ; 121.07,2.71 122.29,3.93 ; 121.07,2.71 121.1,2.71 122.27,3.88 U9.14 ; D8.1 70.2,11.67 IC7.3 70.31,14.07 C11.1 81.34,5.5 C33.1
  Bottom w0.5: v1(109.21,53.43) 109.21,50.13 v1(108.19,49.11) ; v1(137.66,50.51) 139.09,51.94 v1(139.09,53.01) ; v1(165.48,49.57) 165.48,51.56 v1(165.74,51.81) ; 138.67,22.44 v1(137.06,24.06) 116.25,24.06 114.64,22.44 v1(108.19,22.44) 106.68,22.44 v1(96.26,12.01)
VEE: length 367.9
  Top w0.25: v1(78.12,16.43) 79.2,15.35 79.2,15.33 ; 166.11,37.16 166.26,37.01 177.24,37.01 178.55,38.31 178.55,39.66 180.51,41.62 R74.2
  Top w0.5: 138.42,29.05 138.42,23.71 136.13,21.43 135.12,21.43 ; 138.42,29.05 139.94,30.57 ; 138.42,29.05 138.42,41.68 138.46,41.72 ; C50.2 169.99,42.2 168.37,42.2 U7.11 ; R71.2 113.06,37.59 111.15,37.59 109.46,35.9 109.29,36.08 ; 138.46,41.72 139.38,42.63 U3.11 142.5,42.63 C48.2 ; 138.46,41.72 138.67,41.93 138.67,44.03 138.7,44.06 138.7,50.96 136.23,53.43 ; 135.12,21.43 135.08,21.39 124.25,21.39 122.29,19.43 ; 135.12,21.43 135.16,21.39 152.44,21.39 164.52,33.46 164.52,35.57 166.31,37.36 166.31,41.57 166.5,41.76 ; 163.53,53.43 163.67,53.43 164.89,52.2 164.89,51.46 166.5,49.85 166.5,41.76 ; C44.2 112.77,42.63 U4.11 110.09,42.63 109.29,41.83 109.29,41.36 ; 109.29,36.08 109.29,23.56 111.6,21.25 111.52,21.17 109.46,21.17 119.5,21.17 ; 109.29,36.08 109.29,41.36 ; 135.68,53.43 134.59,53.43 C40.2 ; C42.2 112.89,30.57 U8.11 109.73,30.57 109.29,30.12 109.29,27.94 ; C54.2 142.88,30.57 U6.11 ; 106.72,53.43 109.37,50.78 109.37,41.44 109.29,41.36 ; 155.62,50.43 159.28,50.43 C46.2 162.28,53.43 ; 166.5,41.76 167.38,42.63 ; 106.16,53.43 C52.2
  Top w0.9: IC8.2 68.7,24.86 D7.2 ; C12.2 69.43,21.95 68.7,22.68 ; 122.29,19.43 120.55,21.17 101.05,21.17 98,18.12 C34.2 87.48,12.65 81.88,12.65 72.58,21.95
  Bottom w0.25: J32.1 23.5,16.43 v1(78.12,16.43)
/-X': length 151.7
  Top w0.25: 105.14,25.73 U8.7 ; 105.14,25.73 96.67,25.73 91.43,30.97 91.43,52.43 106.64,67.64 177.51,67.64 v1(179.53,65.62) ; 105.14,25.73 102.63,25.73 R149.1 R150.1 ; R51.1 179.65,57.56 v1(179.6,57.62) ; 179.81,55.97 R148.2
  Bottom w0.25: v1(179.6,57.62) 179.6,65.54 v1(179.53,65.62)
/cv_f_pot: length 32.2
  Top w0.25: v1(65.78,32.84) 66.84,31.77 82.58,31.77 J41.2 ; R41.1 v1(57.06,35.9)
  Bottom w0.25: v1(65.78,32.84) 65.78,32.85 62.73,35.9 v1(57.06,35.9)
/damp_mod_pot: length 58
  Top w0.25: J38.9 87.1,43 v1(87.1,39.53) ; R56.2 123.96,36.4 v1(123.18,36.4) ; v1(121.66,31.06) 115.05,24.46 v1(110.23,24.46)
  Bottom w0.25: v1(87.1,39.53) 87.1,38.03 100.68,24.46 v1(110.23,24.46) ; v1(121.66,31.06) 122.16,31.57 122.16,35.38 v1(123.18,36.4)
/damp_pot: length 115
  Top w0.25: v1(186.88,48.81) 186.91,48.78 R59.2
  Bottom w0.25: J38.10 88.01,45.14 119.41,45.14 120.71,43.84 127.43,43.84 131.74,48.15 132.38,48.15 133.54,47 137.7,47 140.24,49.53 151.73,49.53 152.81,50.61 152.81,52.23 153.23,52.66 154.22,52.66 156.1,54.54 183.12,54.54 186.88,50.78 v1(186.88,48.81)
/ext_in: length 45.3
  Top w0.25: C5.1 56.63,62.31 59.26,64.94 59.26,65.67 61.41,67.81 82.61,67.81 J38.1
/F_CV: length 121.7
  Top w0.25: 78.22,35.28 D6.1 79.74,37.17 v1(79.75,37.17) ; 19.75,58.16 20.68,59.08 20.68,61.04 19.75,61.97 ; IC3.6 14.19,58.16 11.09,61.25 v1(11.09,65.05)
  Bottom w0.25: v1(11.09,65.05) 27.83,65.05 33.99,71.21 70.87,71.21 79.96,62.11 79.96,37.39 v1(79.75,37.17)
/fine_pot: length 76.4
  Top w0.25: 130.81,42.76 v1(130.23,42.18)
  Bottom w0.25: v1(130.23,42.18) 134.06,46.01 140.54,46.01 142.71,48.18 147.91,48.18 161.3,34.8 177.84,34.8 179.96,36.92 196.94,36.92
/freq_a_pot: length 99.8
  Top w0.25: R3.1 44.93,67.89 46.41,69.38 65.78,69.38 66.44,68.71 85.41,68.71 87.83,66.29 87.83,52.64 88.83,51.64 88.83,25.33 J41.7
/freq_b_pot: length 78.1
  Top w0.25: v1(31.99,34.76) 31.99,35.59 33.93,37.53 33.93,39.06 28.12,44.87 28.12,47.05 R5.1 ; v1(57.88,29.5) 69.87,29.5 82.69,16.69 J41.9
  Bottom w0.25: v1(57.88,29.5) 57.33,28.95 51.51,28.95 45.48,34.99 32.21,34.99 v1(31.99,34.76)
/freq_cv_a_pot: length 75.4
  Top w0.25: v1(58.54,65.24) 57.44,65.24 ; v1(67,69.44) 85.32,69.44 88.28,66.47 88.28,53.38 v1(88.66,53) ; J41.5 87.93,29.51 87.93,48.06 v1(87.66,48.34)
  Bottom w0.25: v1(67,69.44) 66.22,69.44 63.42,66.63 63.42,66.34 62.99,65.91 62.7,65.91 62.03,65.24 v1(58.54,65.24) ; v1(87.66,48.34) 87.66,51.99 v1(88.66,53)
/freq_cv_b_pot: length 78.6
  Top w0.25: v1(59.94,28.76) 60.21,29.03 69.71,29.03 84.6,14.15 ; v1(37.83,34.26) 37.46,34.63 37.46,38.76 v1(38.12,39.42) ; v1(36.91,50.09) 36.91,50.24 39.56,52.9 R2.1
  Bottom w0.25: v1(36.91,50.09) 35.59,48.77 35.59,41.13 37.3,39.42 v1(38.12,39.42) ; v1(37.83,34.26) 45.57,34.26 51.33,28.51 59.68,28.51 v1(59.94,28.76)
/freq_f_pot: length 75.7
  Top w0.25: v1(53.08,33.49) 48.63,37.94 v1(48.25,37.94) ; v1(18.15,49.75) 15.69,49.75 8.92,56.52 8.92,59.21 J34.1 ; v1(61.97,34.38) R43.1
  Bottom w0.25: v1(61.97,34.38) 61.08,33.49 v1(53.08,33.49) ; v1(48.25,37.94) 48.16,37.85 32.33,37.85 31.98,38.19 29.7,38.19 v1(18.15,49.75)
/gain_mod_pot: length 59.8
  Top w0.25: v1(122.16,58.74) 122.16,59.65 120.03,61.78 v1(118.61,61.78) ; v1(107.43,63.32) 107.48,63.37 v1(111.52,63.37) ; 133.09,49.63 v1(133.09,50.29)
  Bottom w0.25: 85.22,50.58 97.96,63.32 v1(107.43,63.32) ; v1(122.16,58.74) 124.03,58.74 132.48,50.29 v1(133.09,50.29) ; v1(118.61,61.78) 117.02,63.37 v1(111.52,63.37)
/gain_pot: length 47.7
  Top w0.25: R55.2 128.92,44.67 128.02,45.56 v1(128.02,46.1)
  Bottom w0.25: v1(128.02,46.1) 127.95,46.03 122.24,46.03 121.81,45.59 87.05,45.59 J38.8
/LEDU: length 51.7
  Top w0.25: R117.1 177.05,65.62 178.8,63.87 179.82,63.87 195.85,47.85 195.85,30.1 196.56,29.39
/LEDX: length 71.6
  Top w0.25: R147.1 159.41,63.29 160.71,63.29 161.47,62.52 179.26,62.52 194.5,47.29 194.5,26.22 195.57,25.15 195.57,23.22 J36.7
/LEDY: length 65.4
  Top w0.25: 161.03,65.62 162.54,64.11 172.55,64.11 173.69,62.97 179.45,62.97 194.95,47.48 194.95,26.41 197.03,24.33
/LEDZ: length 58.9
  Top w0.25: R133.1 166.52,64.56 175.53,64.56 176.67,63.42 179.64,63.42 195.4,47.66 195.4,28.48 J36.5
/offset_switch: length 132.4
  Top w0.25: Q1.1 40.72,28.27 v1(44.44,28.27) ; 39.59,27.14 v1(34.91,27.14) ; v1(76.73,62.86) 76.13,62.86 R17.2
  Bottom w0.25: v1(76.73,62.86) 78.86,60.74 78.86,44.65 63.22,29.01 61.97,29.01 60.52,27.56 50.99,27.56 50.29,28.27 v1(44.44,28.27) ; J34.2 1.75,61.49 1.75,41.86 8.36,35.25 13.3,35.25 15.08,33.47 23.2,33.47 23.88,32.8 29.26,32.8 v1(34.91,27.14)
/OUT: length 67.4
  Top w0.25: R32.2 60.09,49.27 v1(59.43,48.6) ; R66.1 30.31,29.15 30.31,31.28 31.74,32.72 31.74,33.49 32.85,34.6 32.85,35.17 38.15,40.47 v1(39.49,40.47) 39.49,42.11 ; 44.31,40.98 40.61,40.98 C10.2 39,42.6 32.29,42.6 R50.2 ; v1(49.01,39.71) 54.61,39.71 56.89,41.99 v1(56.89,43.27)
  Bottom w0.25: v1(56.89,43.27) 59.43,45.81 v1(59.43,48.6) ; v1(49.01,39.71) 47.87,38.57 41.39,38.57 v1(39.49,40.47)
/out -U: length 33.4
  Top w0.25: v1(169.15,48.09) R120.1
  Bottom w0.25: v1(169.15,48.09) 174.2,43.05 174.2,41.83 175.06,40.97 183.11,40.97 184.49,42.35 J13.10
/out -X: length 141.1
  Top w0.25: J13.4 186.78,57.59 180.05,64.32 178.99,64.32 176.57,66.74 117.14,66.74 111.49,61.09 102.01,61.09 92.78,51.87 92.78,36.21 96.19,32.8 96.19,27.71 R150.2
/out -Y: length 65.5
  Top w0.25: v1(161.79,36.92) R144.1 ; v1(153.92,53.45) 154.42,52.94 v1(154.42,49.17)
  Bottom w0.25: v1(153.92,53.45) 154.23,53.45 155.77,54.99 187.01,54.99 187.81,54.2 196.18,54.2 J13.5 ; v1(161.79,36.92) 154.42,44.28 v1(154.42,49.17)
/out -Z: length 100.6
  Top w0.25: R136.1 124.72,29.27 v1(124.7,29.29)
  Bottom w0.25: v1(124.7,29.29) 124.7,37.93 133.24,46.46 137.81,46.46 140.43,49.08 151.91,49.08 156.48,53.65 166.39,53.65 174.65,45.39 174.65,42.02 175.25,41.42 177.64,41.42 180.92,44.7 191.76,44.7 J13.7
/out U: length 44.1
  Top w0.25: R109.1 173.71,28.16 175.48,26.39 v1(192.14,26.39)
  Bottom w0.25: v1(192.14,26.39) 196.4,30.64 197.44,30.64 198.39,31.6 198.39,43.52 J13.9
/out X: length 134.6
  Top w0.25: R145.2 92.33,35.15 92.33,52.05 101.82,61.54 111.31,61.54 116.95,67.19 176.76,67.19 179.18,64.77 180.23,64.77 184.88,60.13 J13.3
/out Y: length 30.1
  Top w0.25: R137.2 173.13,39.46 175.68,42.01 v1(175.68,42.14)
  Bottom w0.25: J13.6 189.67,45.15 180.66,45.15 177.66,42.14 v1(175.68,42.14)
/out Z: length 68.2
  Top w0.25: 145.3,26.21 146.23,26.21 v1(146.36,26.35) ; v1(193.6,32.1) 194.02,32.52 194.02,44.62 v1(193.75,44.88)
  Bottom w0.25: v1(146.36,26.35) 146.64,26.07 174.52,26.07 180.76,32.31 193.39,32.31 v1(193.6,32.1) ; 196.65,47.43 194.11,44.88 v1(193.75,44.88)
/OUT_AMP: length 31.4
  Top w0.25: 10.72,28.22 14.82,28.22 ; 10.28,28.29 4.1,34.47 4.1,51.33 J34.6
/P1: length 102.2
  Top w0.25: R17.1 72.25,63.24 IC4.7 ; v1(30.34,65.88) R11.2 ; v1(62.69,66.64) 62.95,66.89 77.53,66.89 78.15,66.27 78.15,63.25 76.23,61.33 R15.2 73.85,63.24
  Bottom w0.25: 31.87,67.4 28.6,64.13 14.37,64.13 4.47,54.24 4.47,51.52 J34.7 ; 31.87,67.4 34.75,70.28 47.23,70.28 49.7,67.81 61.52,67.81 v1(62.69,66.64) ; 31.87,67.4 v1(30.34,65.88)
/P2: length 106.7
  Top w0.25: R16.2 63.98,65.9 v1(64.03,65.95) ; 64.09,63.87 IC4.1 ; v1(36.19,57.24) 34.32,55.37 31.48,55.37 v1(31.37,55.26) 30.67,55.97 R12.2 ; v1(31.11,39.84) 32.51,39.84 33.48,38.87 33.48,37.72 29.39,33.63 v1(25.19,33.63) 25.19,34.51 25.89,35.21 25.89,37.49 24.9,38.47
  Bottom w0.25: v1(64.03,65.95) 63.76,65.95 60.52,62.71 41.66,62.71 v1(36.19,57.24) ; J34.10 6.84,42.35 15.26,33.92 23.38,33.92 23.68,33.63 v1(25.19,33.63) ; v1(31.37,55.26) 33.08,53.56 33.08,52.21 31.11,50.24 v1(31.11,39.84)
/P / cv_f_pot: length 70.1
  Top w0.5: v1(108.32,135.84) 106.39,133.91 102.09,133.91 70.98,165.02 FREQ_CV_F1.2
  Bottom w0.5: v1(108.32,135.84) 113.52,141.04 J40.2
/P / damp_mod: length 104.6
  Bottom w0.5: J25.1 178.01,228.38 171.92,222.3 171.92,197.44 167.09,192.61 167.09,190.74 192.1,165.72 192.1,154.6 192.86,153.84 192.86,152.63 191.26,151.02 damp_mod1.3
/P / damp_mod_pot: length 83.4
  Top w0.5: J39.9 119.7,146.94 132.45,146.94 141.9,137.49 175.76,137.49 183.38,145.11 186.57,145.11 damp_mod1.2
/P / damp_pot: length 90.5
  Top w0.5: damp1.2 187.38,109.34 169.06,109.34 132.16,146.24 119.38,146.24 116.7,148.92 J39.10
/P / ext_in: length 66.7
  Top w0.5: v1(113.17,193.45) 96.47,210.14 96.47,225.61 99.25,228.38 J3.1
  Bottom w0.5: J39.1 113.17,173.79 v1(113.17,193.45)
/P / fine_pot: length 129.4
  Bottom w0.5: fine1.2 125.98,146.81 6.6,146.81 J37.1
/P / freq_a_pot: length 130.1
  Top w0.5: v1(117.08,106.35) 116.46,105.73 17.08,105.73 FREQ_A1.2
  Bottom w0.5: J40.7 117.08,126.39 v1(117.08,106.35)
/P / freq_b_pot: length 86.5
  Top w0.5: FREQ_B1.2 44.37,107.89 107.07,107.89 116.43,117.25 116.43,121.96 J40.9
/P / freq_cv_a_pot: length 107.7
  Top w0.5: v1(102.35,139.27) 102.61,139.27 103.95,137.92 v1(103.95,136.75)
  Bottom w0.5: v1(103.95,136.75) 107.28,133.42 J40.5 ; v1(102.35,139.27) 15.75,139.27 FREQ_CV_A1.2
